# Altium PCB pcb.PcbDoc (continued)
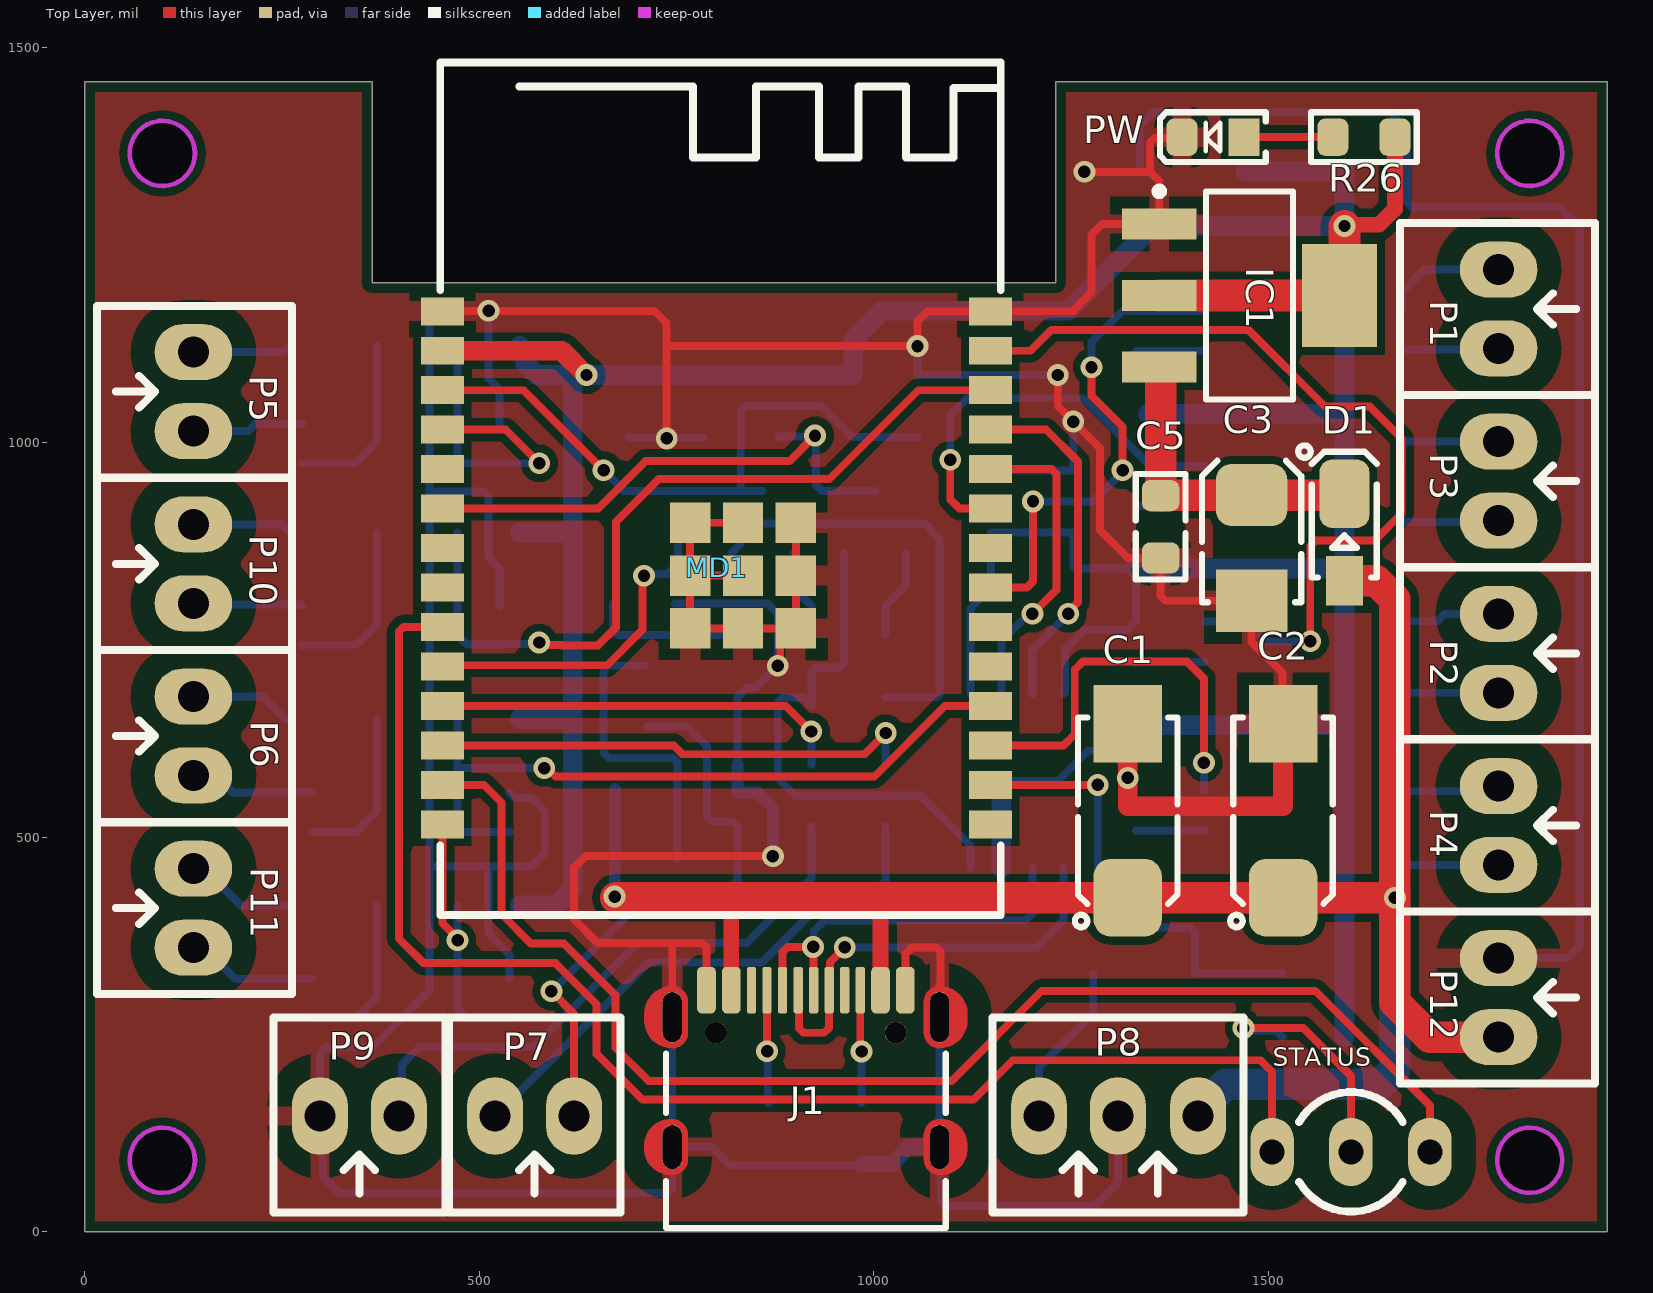
[diagram p0: Top Layer view]
## Footprints (in the part's own frame and the unit in brackets; to place one, negate y for a bottom-side part, rotate by r counter-clockwise, add the part's x,y. Pads: shape width x height; smd on the part's side, far side on the other; paste and mask are expansions set on the pad)
C1206 [mm] "CHIP Capacitor, 3.2X1.6mm, 1206"
  rrect50% 1.6x1.6 smd: 1(-1.4,0) 2(1.4,0)
  Top Layer pour cut-out: -0.8,1 -0.8,-1 0.8,-1 0.8,1
  silkscreen extent -2.4,-1 2.4,1, body extent -1.6,-0.8 1.6,0.8, height 1
C_0805_SMD [mm]
  rrect50% 1x1.2 smd: 1(-1,0) 2(1,0)
  Top Layer pour cut-out: -0.5,0.8 0.5,0.8 0.5,-0.8 -0.5,-0.8
  silkscreen extent -1.7,-0.8 1.7,0.8, body extent -1,-0.63 1,0.62, height 1
C_TANTALUM_3528_1210 [mm] "3.5 x 2.8 x 2.1mm"
  rrect50% 2x2.3 smd: 1(-1.7,0)
  rect 2x2.3 smd: 2(1.7,0)
  Top Layer pour cut-out: -1.149,1.236 1,1.236 1,-1.243 -1.149,-1.243
  silkscreen extent -3.3,-1.6 1.75,1.9, body extent -1.75,-1.4 1.75,1.4, height 1.93
C_tantalum_6032-2312 [mm] "CAPACITOR, TAN C, TAN F, TAN U, TAN L, 6032P, 6.0X3.2mm"
  rrect50% 2.5x2.2 smd: 1(-2.8,0)
  rect 2.5x2.2 smd: 2(2.8,0)
  Top Layer pour cut-out: -2.032,1.6 2.032,1.6 2.032,-1.6 -2.032,-1.6
  silkscreen extent -3.75,-1.6 3,1.7, body extent -3.15,-1.75 3.15,1.75, height 2.8
COMM-SMD_37P-P1.27-L27.5-W18.0-ESP32-C5-WROOM-1 [mm]
  rect 1.385x0.9 smd paste+0 mask+0.051: 1(-8.817,5.715) 2(-8.817,4.445) 3(-8.817,3.175) 4(-8.817,1.905) 5(-8.817,0.635) 6(-8.817,-0.635) 7(-8.817,-1.905) 8(-8.817,-3.175) 9(-8.817,-4.445) 10(-8.817,-5.715) 11(-8.817,-6.985) 12(-8.817,-8.255) 13(-8.817,-9.525) 14(-8.817,-10.795) 15(8.817,-10.795) 16(8.817,-9.525) 17(8.817,-8.255) 18(8.817,-6.985) 19(8.817,-5.715) 20(8.817,-4.445) 21(8.817,-3.175) 22(8.817,-1.905) 23(8.817,-0.635) 24(8.817,0.635) 25(8.817,1.905) 26(8.817,3.175) 27(8.817,4.445) 28(8.817,5.715)
  rect 1.3x1.3 smd paste+0 mask+0.05: 29(-0.85,-1.09) 30(0.85,-1.09) 31(2.55,-1.09) 32(2.55,-2.79) 33(0.85,-2.79) 34(-0.85,-2.79) 35(-0.85,-4.49) 36(0.85,-4.49) 37(2.55,-4.49)
  silkscreen extent -8.89,-13.72 9.14,13.72
D_SOD123W [mm] "PowerDI-123, SOD123, DO-213AA, 1206D"
  rect 1.6x1.2 smd mask+0.1: 1(-1.6,0)
  rrect50% 2.2x1.6 smd mask+0.1: 2(1.2,0)
  Top Layer pour cut-out: -1.016,1.1 -1.016,-1.1 1.016,-1.1 1.016,1.1
  silkscreen extent -1.5,-1.04 2.55,1.05, body extent -1.95,-0.97 1.95,0.96, height 1
"DG308 KF120 2.54mm 2P - duplicate" [mm]
  oval 1.8x2.5 hole 1: 1(-1.27,0) 2(1.27,0)
  silkscreen extent -2.76,-3.1 2.77,3.17, body extent -2.77,-3.14 2.77,3.14, height 8.5
"DG308 KF120 2.54mm 3P" [mm]
  oval 1.8x2.5 hole 1: 1(0,0) 2(2.54,0) 3(5.12,0)
  silkscreen extent -1.49,-3.1 6.58,3.17, body extent -1.5,-3.14 6.58,3.14, height 8.6
"LED 0805 Red" [mm]
  rect 1x1.2 smd: 1(-1,0)
  rrect50% 1x1.2 smd: 2(1,0)
  silkscreen extent -1.7,-0.8 1.7,0.8, body extent -1,-0.63 1,0.63, height 0.9
Led_3mm_3_Pin_CA [mm]
  oval 1.4x2.2 hole 0.8: 1(-2.54,0) 2(0,0) 3(2.54,0)
  silkscreen extent -1.67,-1.92 1.67,1.92, body extent -2.89,-2 2.89,1.7, height 7
RES-SMD-0805 [mm]
  rrect50% 1x1.2 smd paste-0.1 mask+0.075: 1(-1,0) 2(1,0)
  Top Layer pour cut-out: -0.5,0.697 0.5,0.697 0.5,-0.713 -0.5,-0.713
  silkscreen extent -1.7,-0.8 1.7,0.8, body extent -1.15,-0.67 1.15,0.67, height 0.76
RES-SMD-1206 [mm]
  rrect50% 1.6x1.6 smd paste-0.1 mask+0.075: 1(-1.4,0) 2(1.4,0)
  silkscreen extent -2.4,-1 2.4,1, body extent -1.6,-0.8 1.6,0.8, height 1.02
SO_4-EL3H7-G_MFG [mm]
  rect 1.5x0.6 smd paste+0 mask+0: 1(-3.175,0.635) 2(-3.175,-0.635) 3(3.175,-0.635) 4(3.175,0.635)
  silkscreen extent -3.3,-1.45 2.05,1.62, body extent -3.5,-1.35 3.5,1.35, height 2
SOD80C_MFG [mm]
  rect 1x1.7 smd: 1(-1.65,0) 2(1.65,0)
  silkscreen extent -2.9,-0.89 0.51,0.89, body extent -1.75,-0.8 1.75,0.8, height 1.6
"SOT23_N NXP" [mil] "SOT23, 3-Leads, Body 3x1.4mm, Pitch 0.95mm, IPC Medium Density"
  rect 45x35 smd: 1(-39.37,39.37) 2(-39.37,-39.37) 3(39.37,0)
  silkscreen extent -42,-59 28,76, body extent -50,-59 50,59, height 39
SOT223-4N [mm] "SOT223, 4-Leads, Body 6.5x3.5mm, Pitch 2.3mm, Lead Span 7mm, IPC Medium Density"
  rect 2.4x1 smd: 1(-2.9,2.3) 2(-2.9,0) 3(-2.9,-2.3)
  rect 2.4x3.3 smd: 4(2.9,0)
  silkscreen extent -3.02,-3.35 1.4,3.47, body extent -3.39,-3.27 3.5,3.23, height 1.72
"SSOP10 / ESSOP-10" [mm] "SSOP-10, ESSOP-10, 5x3.9mm body 1mm pitch"
  rect 2x3 smd paste-3 mask+0.1: 0(0,0)
  oval 2x0.6 smd: 1(-2.8,2) 2(-2.8,1) 3(-2.8,0) 4(-2.8,-1) 5(-2.8,-2) 6(2.8,-2) 7(2.8,-1) 8(2.8,0) 9(2.8,1) 10(2.8,2)
  silkscreen extent -2.8,-2.7 2.1,2.8, body extent -2.9,-2.4 2.9,2.4, height 1.32
"USBC_SMD_16_USB4105 PAD L" [mm] "CONN, USB, Type C, USB4105, popular*"
  rrect50% 0.6x1.5 smd mask+0.075: A1B12(3.2,-2.525) A4B9(2.4,-2.525) B1A12(-3.2,-2.525) B4A9(-2.4,-2.525)
  rrect50% 0.3x1.5 smd mask+0.075: A5(1.25,-2.525) A6(0.25,-2.525) A7(-0.25,-2.525) A8(-1.25,-2.525) B5(-1.75,-2.525) B6(-0.75,-2.525) B7(0.75,-2.525) B8(1.75,-2.525)
  oval 0.625x1.425 hole 0.6 slot 1.4 at 90 deg: SH1(-4.3,2.525) SH2(4.3,2.525)
  oval 0.625x1.625 hole 0.6 slot 1.6 at 90 deg: SH3(-4.3,-1.655) SH4(4.3,-1.655)
  round 0.7 hole 0.7 unplated: ""(-2.89,-1.155) ""(2.89,-1.155)
  Top Layer region: -4.3,-2.655 -4.644,-2.586 -4.936,-2.391 -5.131,-2.099 -5.2,-1.755 -5.2,-1.755 -5.2,-1.555 -5.131,-1.211 -4.936,-0.919 -4.644,-0.724 -4.3,-0.655 -4.3,-0.655 -4.109,-0.693 -3.946,-0.801 -3.838,-0.964 -3.8,-1.155 -3.8,-1.155 -3.8,-2.155 -3.838,-2.346 -3.946,-2.509 -4.109,-2.617 -4.3,-2.655
  Top Layer region: -4.3,1.625 -4.629,1.671 -4.916,1.839 -5.116,2.104 -5.2,2.425 -5.2,2.425 -5.2,2.625 -5.117,2.947 -4.916,3.212 -4.629,3.38 -4.3,3.425 -4.3,3.425 -4.109,3.387 -3.946,3.279 -3.838,3.116 -3.8,2.925 -3.8,2.925 -3.8,2.125 -3.838,1.934 -3.946,1.771 -4.109,1.663 -4.3,1.625
  Top Layer region: 4.3,1.625 4.109,1.663 3.946,1.771 3.838,1.934 3.8,2.125 3.8,2.125 3.8,2.925 3.838,3.116 3.946,3.279 4.109,3.387 4.3,3.425 4.3,3.425 4.629,3.379 4.916,3.211 5.116,2.946 5.2,2.625 5.2,2.625 5.2,2.425 5.116,2.104 4.916,1.839 4.629,1.671 4.3,1.625
  Top Layer region: 3.8,-2.155 3.838,-2.346 3.946,-2.509 4.109,-2.617 4.3,-2.655 4.3,-2.655 4.644,-2.586 4.936,-2.391 5.131,-2.099 5.2,-1.755 5.2,-1.755 5.2,-1.555 5.131,-1.211 4.936,-0.919 4.644,-0.724 4.3,-0.655 4.3,-0.655 4.109,-0.693 3.946,-0.801 3.838,-0.964 3.8,-1.155 3.8,-1.155
  Bottom Layer region: -4.3,-2.655 -4.644,-2.586 -4.936,-2.391 -5.131,-2.099 -5.2,-1.755 -5.2,-1.755 -5.2,-1.555 -5.131,-1.211 -4.936,-0.919 -4.644,-0.724 -4.3,-0.655 -4.3,-0.655 -4.109,-0.693 -3.946,-0.801 -3.838,-0.964 -3.8,-1.155 -3.8,-1.155 -3.8,-2.155 -3.838,-2.346 -3.946,-2.509 -4.109,-2.617 -4.3,-2.655
  Bottom Layer region: -4.3,1.625 -4.629,1.671 -4.916,1.839 -5.116,2.104 -5.2,2.425 -5.2,2.425 -5.2,2.625 -5.117,2.947 -4.916,3.212 -4.629,3.38 -4.3,3.425 -4.3,3.425 -4.109,3.387 -3.946,3.279 -3.838,3.116 -3.8,2.925 -3.8,2.925 -3.8,2.125 -3.838,1.934 -3.946,1.771 -4.109,1.663 -4.3,1.625
  Bottom Layer region: 4.3,1.625 4.109,1.663 3.946,1.771 3.838,1.934 3.8,2.125 3.8,2.125 3.8,2.925 3.838,3.116 3.946,3.279 4.109,3.387 4.3,3.425 4.3,3.425 4.629,3.379 4.916,3.211 5.116,2.946 5.2,2.625 5.2,2.625 5.2,2.425 5.116,2.104 4.916,1.839 4.629,1.671 4.3,1.625
  Bottom Layer region: 3.8,-2.155 3.838,-2.346 3.946,-2.509 4.109,-2.617 4.3,-2.655 4.3,-2.655 4.644,-2.586 4.936,-2.391 5.131,-2.099 5.2,-1.755 5.2,-1.755 5.2,-1.555 5.131,-1.211 4.936,-0.919 4.644,-0.724 4.3,-0.655 4.3,-0.655 4.109,-0.693 3.946,-0.801 3.838,-0.964 3.8,-1.155 3.8,-1.155
  silkscreen extent -4.5,-0.48 4.5,5.13, body extent -4.79,-2.57 4.79,5.13, height 3.26

## Part data
C1 C2: library part "Cap Tantalum 220uF 10V 2312", "Cap SMD 2312 (6032)", Code=N/A
C3 C4: library part "Cap Tantalum 100uF 10V 1210 (3528)", "Cap Tantalum SMD 1210 (3528)", Code=1419-039, Designed by=TranLuyen
C5 C6 C7 C10 C12: library part "Cap 0805 104 100nF", "Cap SMD 0805 104-100nF-0.1uF 50V", Code=1438-080
C8 C11: library part "Cap 0805 10uF 25V", "Cap SMD 0805 10uF", Code=1436-100
C9: library part "Cap 1206 10uF 50V", "Cap SMD 1206 105-10uF 50V", Code=N/A
D1: library part DSK34-SOD-123, "Surface-Mount Schottky Barrier Rectifier", Code=2001-086
D2: "0.2A, 100V, SOD80", Code=2001-012, Designed by=Nhox
IC1: library part "AMS1117-3.3V SOT223", "SOT-223", Code=5102-034
J1: library part CONN_USBC_SMD_16_USB4105, "CONN, USB, Type C, USB 2.0, Right-Angle, SMD", Code=3518-006, Rule="Clearance Constraint [Generic clearance = 10mil, and 21 value(s) for objects]"
P1 P2 P3 P4 P5 P6 P7 P9 P10 P11 P12: library part "DG308-KF120-2.54 2P-2.54mm", "Header, 2-Pin, Medium DG308-KF120 2.54 2P 2.54mm", Code=N/A, ComponentLink1 Description=Manufacturer, ComponentLink1URL=http://www.we-online.com, ComponentLink2 Description=Datasheet, ComponentLink2URL=http://katalog.we-online.de/em/datasheet/6911031100xx.pdf, Designed by=TranLuyen
P8: library part "DG308-KF120-2.54 3P-2.54mm", "Header, 2-Pin, Medium DG308-KF120 2.54 3P 2.54mm", Code=N/A, Designed by=TranLuyen
PW: library part "LED 0805 RED", "LED 0805 SMD RED", Code=8600-017, Designed by=TranLuyen
Q1 Q2 Q4: library part "S8050 SOT-23", "J3Y-NPN SMD Transistor SOT23", Code=1701-070, Rule="Clearance Constraint [Clearance = 10mil]"
Q3: "P-Channel 1.25W, Vds = -20V, Vgs = +-8V, Vgs -4.5V Id = -2.3A, Vgs -2.5V Id = -1.9A", Code=1901-066
R1 R2 R7 R10 R11 R12 R19 R20 R22: library part "Res 10k 0805", "Resistor SMD 0805", Code=1024-111
R3 R4: library part "Res 5.1k 0805", "Resistor SMD 0805", Code=1024-104
R5 R6 R8 R9: library part "Res 220R 0805", "Resistor SMD 0805", Code=1025-071
R13 R14 R23 R24: library part "Res 4.7K 1206", "Resistor SMD 1206", Code=1031-199
R15: library part "Res 4.7k 0805", "Resistor SMD 0805", Code=1024-103
R16: library part "Res 100k 0805", "Resistor SMD 0805", Code=1024-137
R17 R18: library part "Res 470R 0805", "Resistor SMD 0805", Code=1024-078
R21 R25 R26: library part "Res 1k 0805", "Resistor SMD 0805", Code=1024-086
STATUS: library part "LED 3mm Red Green CA 3 Pin", "LED 3mm Red Green CA 3 Pin", Code=8001-037, Designed by=Nhox
U1: "USB To Serial", Code=N/A, Designed by=Nhox
U2 U3 U4 U5 U6 U7 U8 U9: library part "EL3H7(C)(TA)-VG SSOP-4", "Optocoupler DC-IN 1-CH Transistor DC-OUT 4-Pin SSOP T/R", Code=2303-012, ComponentLink1Description=Datasheet, ComponentLink1URL=https://datasheet.octopart.com/EL3H7%28C%29%28TA%29-VG-Everlight-datasheet-101745741.pdf, Designed by=TranLuyen

## Via types
v1: diameter 27.56, hole 15.75, Top Layer to Bottom Layer, tented both sides, 37 vias

## Nets (pads, with @x,y where several pads share a name; then routed paths per layer and width w, separated by ;. In a path a pad name is that pad's centre, name@x,y a point inside that pad or via, vN(x,y) a via of type N, cw(c..) or ccw(c..) an arc to the next point about the centre after c; other vN are vias at no path point)
+3V3: C4.1 C6.2 C7.2 C8.2 C9.2 C10.2 IC1.2 IC1.4 MD1.2 R5.2 R6.2 R7.1 R8.2 R9.2 R10.1 R11.1 R12.1 R15.1 R19.1 R20.1 R25.1 R26.1 U1.7 U1.10 | length 5652.6
  Top Layer w20: v1(1596.06,1274.21) 1597.51,1275.66 1639.83,1275.66 1660.01,1295.84 R26.1
  Top Layer w25: MD1.2 604.41,1116.14 635.13,1085.42 v1(635.83,1085.42)
  Top Layer w40: IC1.2 IC1.4 1596.06,1192.42 v1(1596.06,1274.21)
  Bottom Layer w10: 618.36,885.83 618.42,885.89 ; U1.7 1122.05,789.27 1148.29,815.52 C7.2 C8.2 1252.59,842.78 1255.13,840.23 R8.2 1331.74,773.51 1320.95,762.72 1266.62,762.72 1241.93,738.04 1241.93,682.88 U1.10
  Bottom Layer w25: R19.1 558.36,413.39 597.68,413.39 618.42,434.13 618.42,643.19 ; R12.1 612,649.61 618.42,643.19 ; R20.1 618.36,885.83 ; R11.1 558.36,1114.87 558.36,1100.06 573.01,1085.42 618.42,1085.42 ; R9.2 1594.32,429.36 1596.06,431.1 ; R6.2 1594.67,641.73 1596.06,640.33 ; R8.2 1595.74,840.23 1596.06,840.55 ; R5.2 1595.29,1036.21 1596.06,1035.43 ; C4.1 C6.2 ; R25.1 R15.1 1596.06,431.1 ; C6.2@1596.06,1342.78 v1(1596.06,1274.21) ; 618.42,643.19 618.42,885.89 618.42,1085.42 ; 618.42,1085.42 635.13,1085.42 v1(635.83,1085.42) C10.2 783.56,1085.42 R10.1 R7.1 973.72,1086.41 973.72,1130.56 1009.89,1166.73 1246.09,1166.73 1353.57,1274.21 v1(1596.06,1274.21) ; 1596.06,431.1 1596.06,640.33 ; 1596.06,640.33 1596.06,840.55 ; 1596.06,840.55 1596.06,1035.43 ; 1596.06,1035.43 v1(1596.06,1274.21)
+5V: C1.1 C2.1 D1.1 J1.A4B9 J1.B4A9 P8.3 P12.1 Q3.2 R16.1 | length 2583.1
  Top Layer w10: v1(671.38,424.68) v1@672.82,423.23
  Top Layer w20: J1.A4B9 819.26,420.9 ; J1.B4A9 1008.24,418.93
  Top Layer w40: v1@672.82,423.23 1003.94,423.23 C1.1 C2.1 v1(1660.01,423.23) ; D1.1 1636.58,824.8 1660.01,801.37 v1(1660.01,423.23) ; P12.1 1704.33,246.58 1660.01,290.9 v1(1660.01,423.23)
  Bottom Layer w10: R16.1@671.61,472.01 672.39,472.79 R16.1@671.85,473.33 ; Q3.2@671.85,561.05 Q3.2
  Bottom Layer w15: v1@671.61,424.91 R16.1@671.61,472.01 ; R16.1@671.85,473.33 Q3.2@671.85,561.05
  Bottom Layer w40: P8.3 1410.64,152.07 1445.57,187.01 1642.02,187.01 1660.01,204.99 v1(1660.01,423.23)
+5V_OUT: C11.2 P7.2 Q3.3 | length 751.8
  Top Layer w10: v1(591.37,304.57) 620.08,275.86 P7.2
  Bottom Layer w10: v1(591.37,304.57) 687.94,401.14 783.34,401.14 827.09,444.89 C11.2 820.32,519.98 795.1,519.98 788.46,526.62 788.46,615.08 763.21,640.33 Q3.3
CC1: J1.A5 R3.1 | length 143.5
  Top Layer w10: v1(864.53,228.71) J1.A5
  Bottom Layer w10: v1(864.53,228.71) 865.39,227.85 865.39,164.2 R3.1
CC2: J1.B5 R4.1 | length 143.5
  Top Layer w10: J1.B5 982.64,230.06 v1(984.36,228.35)
  Bottom Layer w10: R4.1 v1(984.36,228.35)
CH_DTR: Q2.2 R1.1 U1.4 | length 682.2
  Bottom Layer w10: Q2.2 961.79,720.67 955.93,714.81 926.67,714.81 920.82,708.95 R1.1 920.82,666.19 909.94,677.06 884,677.06 878.14,671.2 878.14,574.58 900.13,552.59 1059.07,552.59 1122.05,489.61 U1.4
CH_RTS: Q1.2 R2.2 U1.6 | length 565
  Bottom Layer w10: Q1.2 830.68,871.09 830.68,889.97 838.14,897.42 1064.24,897.42 1073.03,888.63 1073.03,887.39 1083.04,877.38 1083.04,681.46 U1.6 1078.76,677.19 R2.2
CH_RX: MD1.25 U1.9 | length 446
  Top Layer w10: MD1.25 1218.17,1016.14 1258.43,975.88 1258.43,797.49 1246.04,785.1 v1(1246.04,782.85)
  Bottom Layer w10: U1.9 1200.79,737.49 1246.04,782.75 v1(1246.04,782.85)
CH_TX: MD1.24 U1.8 | length 396.5
  Top Layer w10: MD1.24 1225.19,966.14 1231.04,960.28 1231.04,813.06 v1(1200.79,782.8)
  Bottom Layer w10: U1.8 1161.42,748.18 1196.04,782.8 v1(1200.79,782.8)
D_N: J1.A7 J1.B7 U1.2 | length 507.9
  Top Layer w10: J1.B7 884.22,354.38 890.69,360.85 v1(922.92,360.85) ; v1@922.92,360.24 923.25,359.9 923.25,306.44 J1.A7
  Bottom Layer w10: v1(922.92,360.85) 923.69,361.63 923.69,380.77 937.23,394.31 1191.55,394.31 1200.79,403.54 U1.2
D_P: J1.A6 J1.B6 U1.1 | length 559
  Top Layer w10: J1.A6 904.81,305.2 904.81,258.02 910.67,252.17 937.06,252.17 942.91,258.02 J1.B6@942.91,305.74 ; J1.B6 944.17,307 944.17,341.45 v1(962.96,360.24)
  Bottom Layer w10: v1(962.96,360.24) 1206.08,360.24 1240.16,394.31 U1.1
DO: D2.2 MD1.16 R15.2 | length 596.3
  Top Layer w10: MD1.16 v1(1283.46,566.14)
  Bottom Layer w10: v1(1283.46,566.14) 1283.46,400.22 1298.38,385.3 1400.69,385.3 1406.55,379.44 1406.55,328.02 D2.2 1408.3,327.49 R15.2
ESP32_IN1: MD1.4 R11.2 U6.4 | length 387.1
  Top Layer w10: MD1.4 533.52,1016.14 v1(576.04,973.62)
  Bottom Layer w10: R11.2 472.44,982.48 481.3,973.62 U6.4 v1(576.04,973.62)
ESP32_IN2: MD1.26 R20.2 U8.4 | length 1026.2
  Top Layer w10: v1(575.72,746.53) 579.08,743.17 603.83,743.17 604.29,742.72 650.2,742.72 673.08,765.6 673.08,899.46 727.09,953.46 943.39,953.46 1056.07,1066.14 MD1.26
  Bottom Layer w10: R20.2 472.44,755.93 484.48,743.89 524.41,743.89 U8.4 527.5,744.62 573.82,744.62 v1(575.72,746.53)
ESP32_IN3: MD1.18 R12.2 U7.4 | length 922.7
  Top Layer w10: v1(582.14,587.36) 585.96,587.36 596.78,576.55 1000.22,576.55 1089.81,666.14 MD1.18
  Bottom Layer w10: R12.2 472.44,587.36 ; U7.4 477.99,506.5 472.44,512.05 472.44,587.36 ; v1(582.14,587.36) 472.44,587.36
ESP32_IN4: MD1.14 R19.2 U9.4 | length 356.5
  Top Layer w10: MD1.14 453.45,390.96 472.44,371.97 v1(472.44,369.25)
  Bottom Layer w10: R19.2 472.44,282.77 484.93,270.28 U9.4
ESP32_OUT1: MD1.21 U2.2 | length 628.7
  Top Layer w10: MD1.21 1193.79,816.14 1201.45,823.81 v1(1201.45,925.26) ; v1@1275.59,1095.59 1275.59,1059.01 1314.91,1019.69 v1(1314.91,964.63)
  Bottom Layer w10: v1(1201.45,925.26) 1277.61,925.26 1314.91,962.56 v1(1314.91,964.63) ; v1(1275.59,1095.26) 1275.59,1127.41 1314.91,1166.73 U2.2
ESP32_OUT2: MD1.23 U4.2 | length 529.6
  Top Layer w10: v1(1096.69,977.92) 1096.69,927.8 1108.35,916.14 MD1.23
  Bottom Layer w10: v1(1096.69,977.92) 1096.69,1034.39 1118.19,1055.89 1264.35,1055.89 1350.36,969.88 U4.2
ESP32_OUT3: MD1.27 U3.2 | length 1088.8
  Top Layer w10: MD1.27 1198.34,1116.14 1224.71,1142.51 1474.62,1142.51 1571.85,1045.28 1628.29,1045.28 1668.68,1004.89 1668.68,910.21 1634.01,875.54 1559.81,875.54 1552.76,868.49 v1(1552.76,748.03)
  Bottom Layer w10: U3.2 1484.25,773.03 1490.11,767.17 1490.11,753.89 1495.97,748.03 v1(1552.76,748.03)
ESP32_OUT4: MD1.17 U5.2 | length 514.4
  Top Layer w10: MD1.17 1240.16,616.14 1254.4,630.38 1254.4,712.1 1264.73,722.44 1396.4,722.44 1417.99,700.84 v1(1417.99,594.13)
  Bottom Layer w10: v1(1417.99,594.13) 1417.99,559.38 U5.2
ESP_RST: C12.2 MD1.3 Q1.3 R7.2 | length 802.4
  Top Layer w10: MD1.3 555.97,1066.14 v1(657.48,964.63)
  Bottom Layer w10: v1(657.48,964.63) 683.44,938.66 831.26,938.66 ; Q1.3 831.26,938.66 ; C12.2 R7.2 933.35,1046.05 837.12,1046.05 831.26,1040.19 831.26,938.66
GM65_RX: MD1.11 R18.2 | length 522.5
  Top Layer w10: MD1.11 888.24,666.14 v1(920.66,633.73)
  Bottom Layer w10: v1(920.66,633.73) 920.74,633.65 920.74,592.04 R18.2
GM65_TX: MD1.12 R17.2 | length 617.1
  Top Layer w10: MD1.12 746.36,616.14 757.55,604.95 987.91,604.95 v1(1014.86,631.89)
  Bottom Layer w10: R17.2 v1(1014.86,631.89)
GND: C1.2 C2.2 C3.2 C4.2 C5.1 C6.1 C7.1 C8.1 C9.1 C10.1 C11.1 C12.1 IC1.1 J1.A1B12 J1.B1A12 J1.SH1 J1.SH2 J1.SH3 J1.SH4 MD1.1 MD1.28 MD1.29 MD1.30 MD1.31 MD1.32 MD1.33 MD1.34 MD1.35 MD1.36 MD1.37 P8.2 P9.1 P12.2 PW.2 Q4.2 R3.2 R4.2 R22.2 U1.0 U1.3 U6.3 U7.3 U8.3 U9.3 | length 10677.3
  Top Layer w10: MD1.1 454.04,1166.73 v1(511.81,1166.73) 721.71,1166.73 737.37,1151.08 737.37,1122.05 ; v1(737.37,1005.06) 737.37,1122.05 ; J1.SH4 744.46,365.95 ; J1.A1B12 787.76,360.09 781.91,365.95 744.46,365.95 ; MD1.33 MD1.34 ; MD1.30 MD1.29 MD1.34 ; v1(871.98,475.86) 634.7,475.86 620.08,461.23 620.08,395.74 649.87,365.95 744.46,365.95 ; v1(878.14,717.04) 881.29,720.19 881.29,744.67 MD1.37 ; MD1.31 MD1.32 MD1.37 ; J1.B1A12 1039.73,351.65 1048.32,360.24 1078.39,360.24 1084.24,354.38 1084.24,313.72 1083.04,312.51 J1.SH3 ; v1(1232.84,1085.42) 1232.84,1046.11 v1(1252.59,1026.36) 1286.13,992.82 1286.13,889.03 1321.43,853.73 C5.1 1363.23,805.27 1369.09,799.42 C3.2 1478.41,747.13 1517.44,708.1 1517.44,644.54 C2.2 ; v1(1266.62,1342.78) 1349.72,1342.78 ; 1321.43,538.96 1327.28,533.1 ; PW.2 1389.11,1385.72 1355.57,1385.72 1349.72,1379.86 1349.72,1342.78 ; 1512.42,533.1 1518.28,538.96 ; 737.37,1122.05 v1(1055.12,1122.05) 1055.12,1153.54 1067.72,1166.14 MD1.28 1251.46,1166.14 1275.59,1190.28 1275.59,1262.96 1289.32,1276.7 IC1.1 1361.44,1331.05 1349.72,1342.78 ; MD1.34 MD1.35 MD1.36 MD1.37
  Top Layer w25: C1.2 v1(1321.43,575) 1321.43,538.96 1518.28,538.96 C2.2
  Bottom Layer w10: P9.1 298.03,225.76 306.53,234.25 365.6,234.25 437.01,305.66 437.01,937.6 ; P9.1@301.97,171.42 301.97,70.08 322.83,49.21 738.6,49.21 744.46,55.07 J1.SH2 794.32,107.28 817,84.6 R3.2 R4.2 ; 441.69,462.88 511.81,462.88 ; U8.3 525.59,840.55 511.81,854.33 511.81,931.74 505.95,937.6 437.01,937.6 ; U6.3 525.59,1066.91 511.81,1080.69 v1(511.81,1166.73) 442.87,1166.73 437.01,1160.87 437.01,937.6 ; U9.3 538.39,351.03 511.81,377.61 511.81,462.88 ; U7.3 545.2,549.69 565.99,549.69 582.91,532.76 582.91,479.8 565.99,462.88 511.81,462.88 ; C10.1 689.79,1005.87 736.56,1005.87 v1(737.37,1005.06) 738.17,1005.87 782.75,1005.87 C9.1@783.56,1006.68 ; J1.SH2@744.46,111.09 J1.SH4 ; Q4.2 865.11,795.78 878.14,782.75 v1(878.14,717.04) 849.98,688.88 838.78,688.88 R22.2 C11.1 ; v1(1055.12,1122.05) C12.1 v1@1232.84,1085.42 ; J1.SH3 J1.SH1 1085,105.33 1085,38.49 1090.85,32.63 1279.39,32.63 1309.06,62.29 P8.2@1309.06,141.98 ; C7.1 C8.1 v1(1252.59,1026.36) ; U1.0 1232.84,570.87 1271.33,609.35 1297.8,609.35 1318.07,589.09 1318.07,578.36 v1(1321.43,575) ; v1(1266.62,1342.78) 1336.29,1342.78 C4.2 1336.68,1401.32 1353.57,1418.21 1653.33,1418.21 1675.2,1396.35 C6.1 1675.2,1304.3 1681.49,1298.01 1868.39,1298.01 1893.7,1272.7 1893.7,362.32 1877.96,346.58 P12.2 ; P8.2 P8.2@1313.72,141.98
  Bottom Layer w15: C11.1 827.09,556.5 852.43,556.5 871.98,536.96 v1(871.98,475.86)
  Bottom Layer w20: R4.2 985.63,85.87 1023.06,85.87 1044.47,107.28 J1.SH1
  Bottom Layer w25: U1.3 U1.0
GPIO0: MD1.6 Q2.3 R10.2 | length 698
  Top Layer w10: MD1.6 650.56,916.14 710.7,976.28 892.95,976.28 v1(925.32,1008.65)
  Bottom Layer w10: R10.2 879.12,1007.66 924.33,1007.66 v1(925.32,1008.65) ; v1@925.95,1008.01 926.58,1007.38 926.58,946.14 934.06,938.66 Q2.3
LED_GREEN: MD1.13 STATUS.3 | length 1697.9
  Top Layer w10: MD1.13@455.85,563.74 MD1.13 505.71,566.14 528.37,543.49 528.37,402.13 565.47,365.02 607.3,365.02 672.39,299.93 672.39,233.12 714.61,190.91 1098.39,190.91 1212.68,305.2 1558.97,305.2 1704.33,159.84 STATUS.3
LED_RED: MD1.9 STATUS.1 | length 1802.5
  Top Layer w10: MD1.9 403.89,766.14 398.03,760.28 398.03,371.65 429.21,340.47 596.38,340.47 648.6,288.24 648.6,225.41 706.69,167.32 1125.98,167.32 1175.92,217.26 1489.77,217.26 1504.33,202.7 STATUS.1
NetC3_1: C3.1 C5.2 D1.2 IC1.3 | length 393.1
  Top Layer w40: C5.2 IC1.3@1363.23,1095.28 ; C5.2@1364.03,933.27 C3.1 D1.2@1594.3,933.27
NetD2_1: D2.1 P8.1 | length 208.7
  Bottom Layer w10: P8.1 1209.06,208.2 1277.77,276.92 D2.1
NetP1_1: P1.1 U2.4 | length 123
  Bottom Layer w10: U2.4 1670.42,1117.88 1790.19,1117.88 P1.1
NetP1_2: P1.2 U2.3 | length 157.9
  Bottom Layer w10: U2.3 1669.27,1190.93 1697.37,1219.02 P1.2
NetP2_1: P2.1 U3.4 | length 156.4
  Bottom Layer w10: U3.4 1669.27,692.93 1679.4,682.8 P2.1
NetP2_2: P2.2 U3.3 | length 126.1
  Bottom Layer w10: U3.3 1669.74,773.5 1713.8,773.5 1723.1,782.8 P2.2
NetP3_1: P3.1 U4.4 | length 143.7
  Bottom Layer w10: U4.4 1666.56,917.17 1666.56,905.15 1672.42,899.29 1789.72,899.29 P3.1
NetP3_2: P3.2 U4.3 | length 149.7
  Bottom Layer w10: U4.3 1669.27,995.05 1675.13,1000.91 P3.2
NetP4_1: P4.1 U5.4 | length 162
  Bottom Layer w10: U5.4 1669.27,470.55 1675.13,464.69 P4.1
NetP4_2: P4.2 U5.3 | length 124.8
  Bottom Layer w10: U5.3 1784.75,558.1 P4.2
NetP5_1: P5.1 R13.1 | length 125.3
  Bottom Layer w10: P5.1 252.1,1114.3 R13.1
NetP5_2: P5.2 U6.2 | length 141.7
  Bottom Layer w10: P5.2 207.21,1014.3 216.54,1023.62 U6.2
NetP6_1: P6.1 R14.2 | length 133.8
  Bottom Layer w10: P6.1 225.56,678.07 254.02,649.61 R14.2
NetP6_2: P6.2 U7.2 | length 159.5
  Bottom Layer w10: P6.2 166.16,578.07 187.87,556.37 U7.2@288.25,556.37
NetP7_1: P7.1 R17.1 | length 687
  Bottom Layer w10: P7.1 714.45,341.01 858.11,341.01 939.33,422.23 992.75,422.23 1014.86,444.34 R17.1
NetP9_2: P9.2 R18.1 | length 747.1
  Bottom Layer w10: P9.2@401.97,146.65 401.97,211.81 424.06,233.9 568.66,233.9 700.71,365.95 838.8,365.95 920.82,447.97 R18.1
NetP10_1: P10.1 R23.1 | length 126.3
  Bottom Layer w10: P10.1 249.48,896.19 R23.1
NetP10_2: P10.2 U8.2 | length 139.2
  Bottom Layer w10: P10.2 139.53,794.45 273.86,794.45 U8.2
NetP11_1: P11.1 R24.2 | length 141.3
  Bottom Layer w10: P11.1 151.57,459.96 198.15,413.39 R24.2
NetP11_2: P11.2 U9.2 | length 167
  Bottom Layer w10: P11.2 151.57,359.96 191.26,320.28 U9.2
NetPW_1: PW.1 R26.2 | length 112.4
  Top Layer w10: PW.1 R26.2
NetQ1_1: Q1.1 R1.2 | length 113.3
  Bottom Layer w10: Q1.1 898.25,815.22 920.82,792.66 R1.2
NetQ2_1: Q2.1 R2.1 | length 114.6
  Bottom Layer w10: R2.1 1014.85,793.49 1040.53,819.17 Q2.1
NetQ3_1: Q3.1 Q4.3 R16.2 | length 379
  Bottom Layer w10: Q4.3 662.57,717.04 657.48,711.95 657.48,606.58 664.12,599.95 745.28,599.95 751.13,594.09 Q3.1 750.59,561.05 R16.2
NetQ4_1: Q4.1 R21.1 R22.1 | length 285
  Bottom Layer w10: R21.1 673.08,799.57 Q4.1 669.29,762.72 676.09,755.93 R22.1
NetR5_1: R5.1 U2.1 | length 88.3
  Bottom Layer w10: R5.1@1331.74,1114.95 1332.63,1115.84 1418.38,1115.84 U2.1
NetR6_1: R6.1 U3.1 | length 88.6
  Bottom Layer w10: R6.1 1333.01,721.75 1417.99,721.75 U3.1
NetR8_1: R8.1 U4.1 | length 87.9
  Bottom Layer w10: R8.1 1332.19,919.43 1418.82,919.43 U4.1
NetR9_1: R9.1 U5.1 | length 87.5
  Bottom Layer w10: R9.1 U5.1
NetR13_2: R13.2 U6.1 | length 226.9
  Bottom Layer w10: U6.1 342.74,973.62 370.08,1000.97 R13.2
NetR14_1: R14.1 U7.1 | length 209.3
  Bottom Layer w10: U7.1 343.68,506.5 370.08,532.89 R14.1
NetR23_2: R23.2 U8.1 | length 222.2
  Bottom Layer w10: U8.1 276.57,743.7 344.81,743.7 370.08,768.97 R23.2
NetR24_1: R24.1 U9.1 | length 209
  Bottom Layer w10: U9.1 343.11,270.28 370.08,297.24 R24.1
NetR25_2: R25.2 STATUS.2 | length 311.6
  Top Layer w10: v1(1468.08,258.02) 1543.72,258.02 1604.33,197.41 STATUS.2
  Bottom Layer w10: v1(1468.08,258.02) 1471.44,254.66 1509.24,254.66 R25.2
PW_CTRL: MD1.10 R21.2 | length 430.3
  Top Layer w10: MD1.10 455.05,717.75 661.98,717.75 706.88,762.65 706.88,829.43 v1(708.66,831.21)
  Bottom Layer w10: v1(708.66,831.21) 710.73,833.28 738.28,833.28 751.82,846.82 R21.2
pads on no net: J1. J1.A8 J1.B8 MD1.5 MD1.7 MD1.8 MD1.15 MD1.19 MD1.20 MD1.22 U1.5

## Polygon pours and split planes (outlines as drawn)
GND on Bottom Layer "GND_L02_P000" (solid, pour order 0): 0,0 0,1456.69 364.19,1456.69 364.19,1202.35 1230.32,1202.35 1230.32,1456.69 1929.13,1456.69 1929.13,0
GND on Top Layer "GND_L01_P001" (solid, pour order 1): 0,0 0,1456.69 364.19,1456.69 364.19,1202.35 1230.32,1202.35 1230.32,1456.69 1929.13,1456.69 1929.13,0

## Keep-outs
Keep-Out Layer:
  circle w5.91: c1830.71,1366.14 r41.34
  circle w5.91: c1830.71,90.55 r41.34
  circle w5.91: c98.43,90.55 r41.34
  circle w5.91: c98.43,1366.14 r41.34

## Silkscreen, mask and mechanical layers (free items; w line width, h text height)
Bottom Overlay:
  text "O1-" at 1870.95,1175.65 h60 r270
  text "I1+" at 15.67,1079.19 h60 r270
  text "O1+" at 1868.79,1069.85 h60 r270
  text "I1-" at 15.67,984.99 h60 r270
  text "O2-" at 1868.06,957.54 h60 r270
  text "I2+" at 15.67,861.08 h60 r270
  text "O2+" at 1868.06,851.74 h60 r270
  text "I2-" at 15.67,766.88 h60 r270
  text "O3-" at 1869.51,739.43 h60 r270
  text "I3+" at 16.39,642.97 h60 r270
  text "O3+" at 1868.79,633.63 h60 r270
  text "I3-" at 16.39,548.77 h60 r270
  text "O4-" at 1868.79,521.32 h60 r270
  text "I4+" at 15.67,424.86 h60 r270
  text "O4+" at 1868.06,415.52 h60 r270
  text "I4-" at 15.67,330.66 h60 r270
  text "G" at 1868.79,328.62 h60 r270
  text "5V" at 1869.51,214.94 h60 r270
  text "G" at 319.88,25.24 h60
  text "RX" at 432.04,24.52 h60
  text "TX" at 551.18,25.24 h60
  text "DI" at 1233.72,24.52 h60
  text "G" at 1328.17,25.24 h60
  text "5V" at 1442.51,25.24 h60
  text "5V" at 645.52,20.41 h60
Mechanical 2:
  lines w5.91: 1929.13,1456.69 1929.13,0 0,0 0,1456.69 364.19,1456.69 364.19,1202.35 1230.32,1202.35 1230.32,1456.69 1929.13,1456.69 ; 1929.13,1456.69 1929.13,1456.69